# KiCad board 2choc2flat-extmcu-iso-rgb.kicad_pcb (continued)
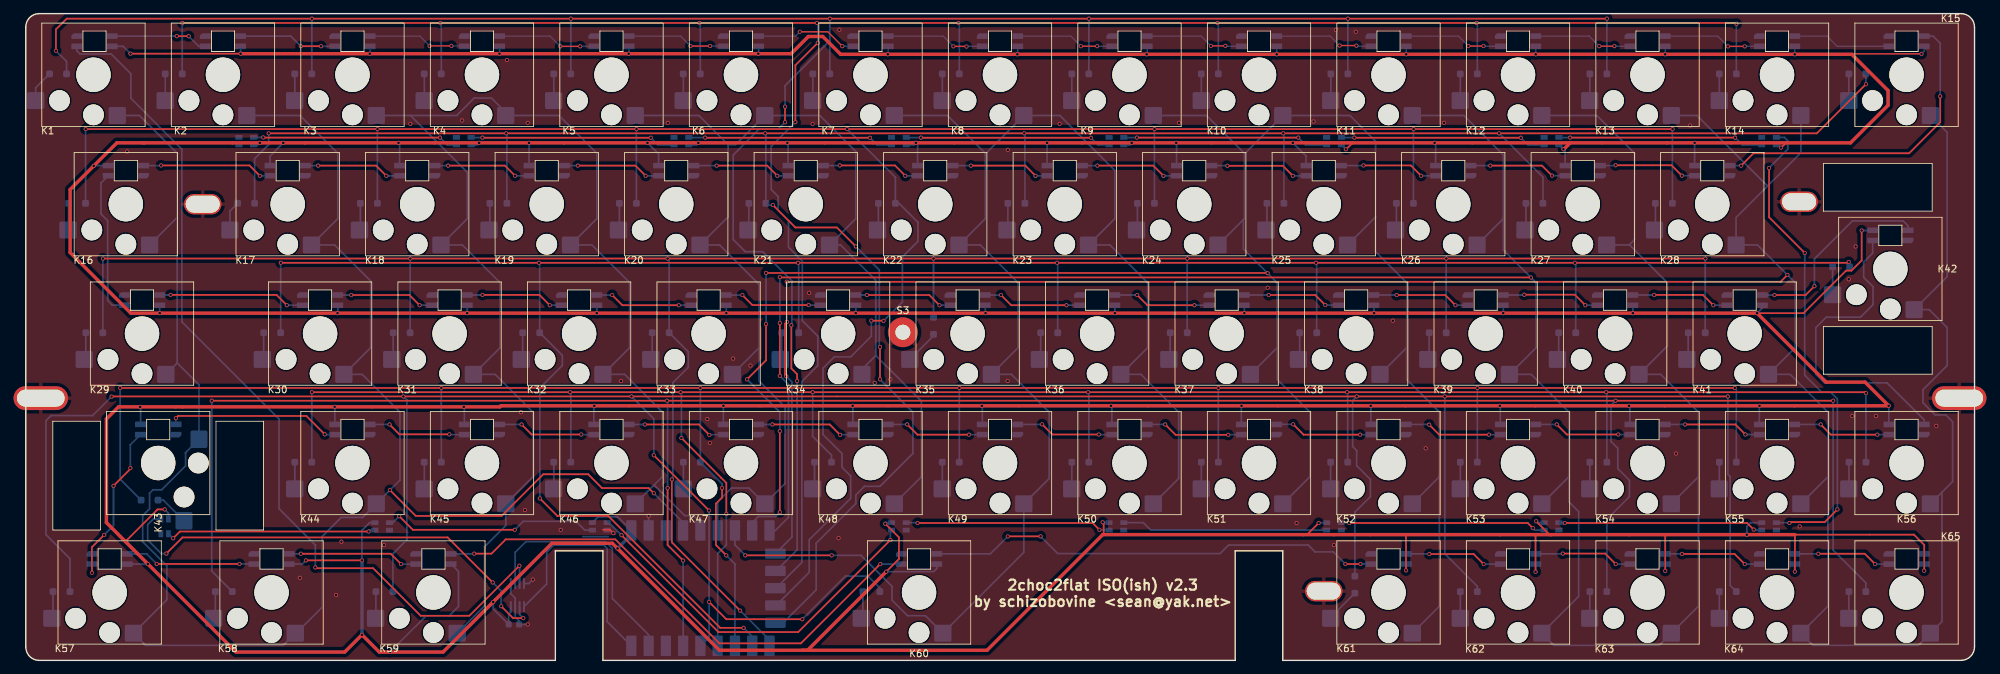
[diagram p0: board, top side]
## Nets (continued)
Net-(D26-A): D26.2 K26.2
Net-(D27-A): D27.2 K27.2
Net-(D28-A): D28.2 K28.2
Net-(D29-A): D29.2 K29.2
Net-(D30-A): D30.2 K30.2
Net-(D31-A): D31.2 K31.2
Net-(D32-A): D32.2 K32.2
Net-(D33-A): D33.2 K33.2
Net-(D34-A): D34.2 K34.2
Net-(D35-A): D35.2 K35.2
Net-(D36-A): D36.2 K36.2
Net-(D37-A): D37.2 K37.2
Net-(D38-A): D38.2 K38.2
Net-(D39-A): D39.2 K39.2
Net-(D40-A): D40.2 K40.2
Net-(D41-A): D41.2 K41.2
Net-(D42-A): D42.2 K42.2
Net-(D43-A): D43.2 K43.2
Net-(D44-A): D44.2 K44.2
Net-(D45-A): D45.2 K45.2
Net-(D46-A): D46.2 K46.2
Net-(D47-A): D47.2 K47.2
Net-(D48-A): D48.2 K48.2
Net-(D49-A): D49.2 K49.2
Net-(D50-A): D50.2 K50.2
Net-(D51-A): D51.2 K51.2
Net-(D52-A): D52.2 K52.2
Net-(D53-A): D53.2 K53.2
Net-(D54-A): D54.2 K54.2
Net-(D55-A): D55.2 K55.2
Net-(D56-A): D56.2 K56.2
Net-(D57-A): D57.2 K57.2
Net-(D58-A): D58.2 K58.2
Net-(D59-A): D59.2 K59.2
Net-(D60-A): D60.2 K60.2
Net-(D61-A): D61.2 K61.2
Net-(D62-A): D62.2 K62.2
Net-(D63-A): D63.2 K63.2
Net-(D64-A): D64.2 K64.2
Net-(D65-A): D65.2 K65.2
Net-(LD1-DOUT): LD1.2 LD2.4
Net-(LD2-DOUT): LD2.2 LD3.4
Net-(LD3-DOUT): LD3.2 LD4.4
Net-(LD4-DOUT): LD4.2 LD5.4
Net-(LD5-DOUT): LD5.2 LD6.4
Net-(LD6-DOUT): LD6.2 LD7.4
Net-(LD7-DOUT): LD7.2 LD8.4
Net-(LD8-DOUT): LD8.2 LD9.4
Net-(LD10-DIN): LD9.2 LD10.4
Net-(LD10-DOUT): LD10.2 LD11.4
Net-(LD11-DOUT): LD11.2 LD12.4
Net-(LD12-DOUT): LD12.2 LD13.4
Net-(LD13-DOUT): LD13.2 LD14.4
Net-(LD14-DOUT): LD14.2 LD15.4
Net-(LD15-DOUT): LD15.2 LD28.4
Net-(LD16-DIN): LD16.4 LD17.2
Net-(LD16-DOUT): LD16.2 LD29.4
Net-(LD17-DIN): LD17.4 LD18.2
Net-(LD18-DIN): LD18.4 LD19.2
Net-(LD19-DIN): LD19.4 LD20.2
Net-(LD20-DIN): LD20.4 LD21.2
Net-(LD21-DIN): LD21.4 LD22.2
Net-(LD22-DIN): LD22.4 LD23.2
Net-(LD23-DIN): LD23.4 LD24.2
Net-(LD24-DIN): LD24.4 LD25.2
Net-(LD25-DIN): LD25.4 LD26.2
Net-(LD26-DIN): LD26.4 LD27.2
Net-(LD27-DIN): LD27.4 LD28.2
Net-(LD29-DOUT): LD29.2 LD30.4
Net-(LD30-DOUT): LD30.2 LD31.4
Net-(LD31-DOUT): LD31.2 LD32.4
Net-(LD32-DOUT): LD32.2 LD33.4
Net-(LD33-DOUT): LD33.2 LD34.4
Net-(LD34-DOUT): LD34.2 LD35.4
Net-(LD35-DOUT): LD35.2 LD36.4
Net-(LD36-DOUT): LD36.2 LD37.4
Net-(LD37-DOUT): LD37.2 LD38.4
Net-(LD38-DOUT): LD38.2 LD39.4
Net-(LD39-DOUT): LD39.2 LD40.4
Net-(LD40-DOUT): LD40.2 LD41.4
Net-(LD41-DOUT): LD41.2 LD42.4
Net-(LD42-DOUT): LD42.2 LD56.4
Net-(LD43-DIN): LD43.4 LD44.2
Net-(LD43-DOUT): LD43.2 LD57.4
Net-(LD44-DIN): LD44.4 LD45.2
Net-(LD45-DIN): LD45.4 LD46.2
Net-(LD46-DIN): LD46.4 LD47.2
Net-(LD47-DIN): LD47.4 LD48.2
Net-(LD48-DIN): LD48.4 LD49.2
Net-(LD49-DIN): LD49.4 LD50.2
Net-(LD50-DIN): LD50.4 LD51.2
Net-(LD51-DIN): LD51.4 LD52.2
Net-(LD52-DIN): LD52.4 LD53.2
Net-(LD53-DIN): LD53.4 LD54.2
Net-(LD54-DIN): LD54.4 LD55.2
Net-(LD55-DIN): LD55.4 LD56.2
Net-(LD57-DOUT): LD57.2 LD58.4
Net-(LD58-DOUT): LD58.2 LD59.4
Net-(LD59-DOUT): LD59.2 LD60.4
Net-(LD60-DOUT): LD60.2 LD61.4
Net-(LD61-DOUT): LD61.2 LD62.4
Net-(LD62-DOUT): LD62.2 LD63.4
Net-(LD63-DOUT): LD63.2 LD64.4
Net-(LD64-DOUT): LD64.2 LD65.4

Pads without a net: BD16 1; LD65 2; U1 3

## Via types
v1: diameter 0.6, hole 0.4, Top to Bottom, 404 vias

## Routing (per net, layer and track width the routed paths; a pad name or vN(x,y) marks a point on that pad's centre or on a via; arc(x,y) is an arc through that point)
+5V: length 1724.8
  Top w0.2: 268.6,89.21 268.67,89.28 v1(278.85,89.28)
  Top w0.25: v1(226.18,75.23) 226.22,75.23 ; v1(31.6,89.3) v1(15.4,89.3) ; v1(241.15,13.18) 241.15,18.38 241.03,18.51 ; v1(203.03,13.25) 203.03,18.51 ; 158.41,18.51 158.55,18.65 158.55,20.18 v1(158.4,20.33) ; v1(222.08,13.05) 222.08,18.46 222.03,18.51 ; v1(126.56,13.06) 128.43,14.93 128.43,18.13 v1(126.42,20.13) ; v1(20.43,22.23) 19.38,22.23 14.65,17.49 ; v1(279.25,13.2) 279.25,17 277.74,18.51 260.23,18.51 v1(260.23,13.08) ; v1(270.05,63.28) 270.05,58.88 268.55,57.38 267.76,57.38 261.49,51.11 254.08,51.11 ; 195.18,76.18 194.22,75.23 v1(194.18,75.23) ; v1(190.18,20.23) 188.46,18.51 187.93,18.51 ; 131.03,76.08 v1(130.93,76.18) ; v1(41.2,14.73) v1(49.45,14.73) ; v1(222.18,20.48) 224.14,18.51 ; 258.93,76.18 258.22,75.48 v1(258.18,75.48)
  Top w0.5: 260.23,18.51 v1(253.16,18.51) 158.41,18.51 141.39,1.49 114.22,1.49 ; 114.22,1.49 114.99,1.49 v1(126.56,13.06) ; 114.22,1.49 102.02,1.49 86.28,17.24 77.39,17.24 v1(68.75,8.6) 61.38,1.24 v1(53.55,1.24) 51.99,1.24 v1(49.45,3.78) 46.91,1.24 30.91,1.24 v1(17.95,14.2) 11.86,20.29 11.86,35.53 13.65,37.32 v1(16.82,37.32) v1(45.42,37.32) v1(64.42,37.32) 69.73,37.32 69.89,37.48 v1(83.62,37.48) v1(102.62,37.48) v1(121.62,37.48) v1(140.62,37.48) v1(159.62,37.48) v1(178.83,37.48) v1(197.83,37.48) v1(216.83,37.48) v1(235.83,37.48) v1(255.03,37.48) v1(274.03,37.48) 270.55,40.95 264.82,40.95 v1(254.67,51.11) v1(236.4,51.11) v1(217.33,51.11) v1(198.33,51.11) v1(179.25,51.11) v1(160.2,51.11) v1(141.18,51.11) v1(122.08,51.11) v1(103.05,51.11) v1(83.97,51.11) v1(64.92,51.11) v1(45.85,51.11) v1(19.7,51.11) 15.45,51.11 6.52,60.04 6.52,69.31 v1(9.99,72.78) 13.39,76.18 17.46,76.18 ; 17.46,76.18 v1(34.42,76.18) v1(37.88,76.18) v1(54.82,76.18) v1(66.67,76.18) v1(74.02,76.18) v1(91.45,76.18) v1(98.92,76.18) v1(112.02,76.18) v1(130.93,76.18) v1(150.23,76.18) v1(162.68,76.18) v1(169.23,76.18) v1(186.38,76.18) v1(207.23,76.18) 227.18,76.18 ; 17.46,76.18 17.44,76.17 ; v1(31.6,89.3) v1(69.67,89.3) v1(88.67,89.3) v1(107.75,89.3) 112.58,89.3 115.1,91.83 117.23,91.83 119.86,89.21 v1(126.8,89.21) v1(145.85,89.21) v1(164.88,89.21) v1(184,89.21) v1(203.05,89.21) v1(222.1,89.21) v1(241.15,89.21) v1(260.2,89.21) 268.6,89.21 273.93,83.88 273.93,81.7 268.41,76.18 v1(245.48,76.18) 227.18,76.18 ; 226.22,75.23 227.18,76.18
  Bottom w0.2: LD3.1 50.65,89.35 v1(50.6,89.3) ; v1(278.85,89.28) 279.25,89.68 279.25,90.38 ; v1(164.88,89.21) 164.95,89.28 LD9.1 ; v1(107.75,89.3) 107.8,89.35 LD6.1 ; v1(88.67,89.3) 88.75,89.38 LD5.1 ; v1(126.8,89.21) 126.85,89.26 LD7.1 ; 260.2,90.38 v1(260.2,89.21) ; LD10.1 v1(184,89.21) ; v1(145.85,89.21) 145.9,89.26 LD8.1 ; LD13.1 v1(241.15,89.21) ; v1(69.67,89.3) 69.7,89.33 69.7,90.38 ; LD11.1 v1(203.05,89.21) ; 222.1,90.38 v1(222.1,89.21)
  Bottom w0.25: LD25.1 188.33,74.23 v1(186.38,76.18) ; v1(270.05,63.28) 271.64,63.28 LD42.1 ; LD37.1 179.24,51.12 v1(179.25,51.11) ; LD19.1 v1(74.02,76.18) ; LD23.1 v1(150.23,76.18) ; BD15.4 66.37,75.88 v1(66.67,76.18) ; BD1.4 20.98,21.68 v1(20.43,22.23) ; v1(19.7,51.11) 19.69,51.11 LD29.1 ; LD60.1 133.99,13.52 133.54,13.06 v1(126.56,13.06) ; LD64.1 260.2,13.1 v1(260.23,13.08) ; v1(253.16,18.51) 253.18,18.53 253.18,19.73 253.73,20.28 BD8.4 ; v1(83.97,51.11) 83.99,51.12 LD32.1 ; v1(17.95,14.2) 17.93,14.18 LD57.1 ; U1.23 87.07,21.13 84.19,21.13 BD3.4 ; LD27.1 226.43,74.98 v1(226.18,75.23) 225.53,75.88 BD10.4 ; v1(217.33,51.11) 217.34,51.12 LD39.1 ; v1(160.2,51.11) 160.19,51.12 LD36.1 ; v1(45.85,51.11) 45.89,51.14 LD30.1 ; LD33.1 103.04,51.12 v1(103.05,51.11) ; v1(254.67,51.11) 255.44,51.87 LD41.1 ; v1(121.62,37.48) 121.65,37.45 121.65,34.73 ; LD40.1 236.39,51.12 v1(236.4,51.11) ; LD52.1 197.85,37.45 v1(197.83,37.48) ; v1(16.82,37.32) 16.88,37.27 LD43.1 ; LD21.1 112.12,76.08 v1(112.02,76.18) ; v1(169.23,76.18) 169.28,76.13 LD24.1 ; BD14.4 98.62,75.88 v1(98.92,76.18) ; U2.8 71.33,7.12 71.02,6.81 71.02,5.3 68.75,7.57 v1(68.75,8.6) ; BD13.4 130.62,75.88 v1(130.93,76.18) 131.18,75.93 LD22.1 ; v1(274.03,37.48) 274.05,37.45 LD56.1 ; BD4.4 126.58,20.28 v1(126.42,20.13) ; v1(91.45,76.18) 93.08,74.55 LD20.1 ; BD7.4 222.38,20.28 v1(222.18,20.48) ; BD6.4 190.23,20.28 v1(190.18,20.23) ; v1(41.2,14.73) 40.65,14.18 LD58.1 ; v1(203.03,13.25) 203.05,13.28 LD61.1 ; v1(9.99,72.78) 10.04,72.83 LD16.1 ; v1(53.55,1.24) 58.84,6.53 62.22,6.53 63.65,7.95 63.65,13.09 LD59.1 ; v1(64.42,37.32) 64.5,37.24 LD45.1 ; LD1.1 14.32,90.38 v1(15.4,89.3) ; BD9.4 257.78,75.88 v1(258.18,75.48) ; v1(158.4,20.33) 158.45,20.28 BD5.4 ; LD54.1 235.95,37.35 v1(235.83,37.48) ; v1(122.08,51.11) 122.09,51.12 LD34.1 ; BD2.4 50.57,20.28 49.45,19.15 v1(49.45,14.73) ; v1(216.83,37.48) 216.9,37.4 LD53.1 ; v1(54.82,76.18) 54.97,76.03 LD18.1 ; v1(198.33,51.11) 198.29,51.14 LD38.1 ; v1(102.62,37.48) 102.6,37.45 LD47.1 ; BD12.4 162.37,75.88 v1(162.68,76.18) ; LD17.1 35.92,74.23 v1(37.88,76.18) ; v1(159.62,37.48) 159.75,37.35 159.75,34.73 ; v1(83.62,37.48) 83.55,37.4 LD46.1 ; LD49.1 140.7,37.4 v1(140.62,37.48) ; LD44.1 45.45,37.29 v1(45.42,37.32) ; LD35.1 141.14,51.14 v1(141.18,51.11) ; v1(279.25,13.2) 279.25,14.18 ; LD63.1 v1(241.15,13.18) ; v1(178.83,37.48) 178.8,37.45 LD51.1 ; v1(207.23,76.18) 207.38,76.03 LD26.1 ; 222.1,14.18 222.1,13.08 v1(222.08,13.05) ; LD28.1 v1(245.48,76.18) ; v1(255.03,37.48) 255,37.45 LD55.1 ; v1(194.18,75.23) 193.53,75.88 BD11.4 ; BD16.4 34.12,75.88 v1(34.42,76.18) ; LD2.1 v1(31.6,89.3) ; LD31.1 64.94,51.12 v1(64.92,51.11)
  Bottom w0.5: v1(87.04,16.48) 89.07,18.51 U1.23 ; v1(49.45,14.73) v1(49.45,3.78)
GND: length 18.1
  Top w0.25: v1(86.42,18.73) 85.92,19.23 84.92,19.23
  Bottom w0.25: U2.1 71.33,9.83 71.98,9.18 U2.7 71.98,6.39 72.57,5.8 C1.2 v1(73.83,5.3) ; U2.4 74.01,11.32 v1(74.59,11.91) ; 81.92,18.23 85.67,18.23 ; BD3.2 85.97,19.18 v1(86.42,18.73) ; U1.22 v1(91.61,21.3)
  vias: v1(14.9,74.9) v1(40.3,12.16) v1(45.64,9.62) v1(46.42,17.48) v1(52.67,16.98) v1(56.56,78.96) v1(64.18,79.47) v1(70.78,88.36) v1(72.83,36.53) v1(73.42,22.13) v1(73.83,79.13) v1(78.67,19.23) v1(87.55,41.12) v1(94.42,79.13) v1(100.25,35.53) v1(100.62,32.03) v1(104.05,44.43) v1(106.6,43.4) v1(115.22,54.1) v1(115.74,78.96) v1(119.55,18) v1(119.67,92.83) v1(124.88,40.86) v1(127.17,41.37) v1(144.44,75.15) v1(144.43,41.13) v1(152.06,78.96) v1(169.62,79.13) v1(182.68,54.85) v1(186.93,20.23) v1(189.43,79.33) v1(192.43,16.98) v1(192.7,92.8) v1(195.62,92.53) v1(201.09,50.01) v1(205.91,31.21) v1(208.62,79.13) v1(242.74,30.45) v1(244.83,78.73) v1(260.93,19.73) v1(268.14,56.1) v1(268.68,35.98) v1(269.16,60.93) v1(272.18,35.98) v1(281.03,34.53)
col0: length 283.9
  Top w0.25: v1(92.37,24.61) 91.61,25.37 84.75,25.37 82.72,27.4 76.12,27.4 69.99,21.27 57.35,21.27 v1(53.56,25.06)
  Bottom w0.25: 22.27,65.21 22.27,43.78 ; 22.27,65.21 22.27,74.64 16.71,80.2 K1.1 ; 22.27,65.21 K16.1 ; 22.27,43.78 25.48,40.57 K43.1 23.5,30.57 23.5,28.63 19.98,25.11 18.71,25.11 18.21,24.61 18.21,22.32 17.19,21.3 17.19,17.46 20.75,13.91 20.75,8.91 K57.1 17.61,2.22 37.86,2.22 K58.1 39.76,4 43.6,7.84 43.6,18.26 46.4,21.05 49.55,21.05 K44.1 v1(53.56,25.06) 55.03,26.54 55.03,36.54 49.48,42.1 K30.1 50.72,46.03 50.72,55.85 45.41,61.15 K17.1 45.89,65.02 45.89,74.64 40.33,80.2 K2.1 ; 22.27,43.78 K29.1 ; v1(92.37,24.61) 96.69,20.29 U1.20
col1: length 213.5
  Bottom w0.25: 92.42,25.82 K46.1 ; 92.42,25.82 93.64,27.04 93.64,36.54 88.09,42.1 K32.1 88.82,46.03 88.82,55.59 83.26,61.15 K19.1 83.99,65.02 83.99,74.64 78.43,80.2 K4.1 70.6,80.67 68.5,82.77 65.96,82.77 63.39,80.2 56.34,80.2 ; 92.42,25.82 96.94,21.3 98.22,21.3 99.23,20.29 U1.19 ; K59.1 67.48,8.02 67.48,16.73 70.6,19.85 K45.1 74.59,27.04 74.59,36.54 69.04,42.1 K31.1 69.77,46.03 69.77,55.59 64.21,61.15 K18.1 64.94,65.02 64.94,71.85 56.59,80.2 56.34,80.2 ; K3.1 56.34,80.2
col2: length 184.6
  Bottom w0.25: K48.1 131.74,27.04 131.74,38.16 125.02,44.87 ; 103.3,75.91 104.41,75.91 K6.1 116.79,80.2 122.09,74.9 122.09,65.02 K21.1 119.84,61.15 125.02,55.96 125.02,44.87 ; 103.3,75.91 103.3,65.27 K20.1 102.06,61.15 107.87,55.34 107.87,46.03 ; 103.3,75.91 99.01,80.2 K5.1 ; K34.1 122.99,42.84 125.02,44.87 ; U1.18 101.77,23.34 103.8,25.37 106.38,25.37 K47.1 111.68,26.03 111.68,37.31 107.87,41.12 107.87,46.03 ; 107.87,46.03 K33.1
col3: length 235.4
  Top w0.25: v1(105.83,15.46) v1(118.53,15.46)
  Bottom w0.25: 141.14,74.39 141.14,65.02 K22.1 140.41,61.15 145.97,55.59 145.97,46.03 K35.1 144.98,42.1 150.54,36.54 150.54,26.79 K49.1 146.8,15.91 K60.1 132.32,6.57 129.71,6.57 127.42,8.86 127.42,10.89 122.85,15.46 v1(118.53,15.46) ; 141.14,74.39 141.14,74.64 135.58,80.2 K7.1 ; 141.14,74.39 141.14,74.54 K8.1 152.09,80.2 160.19,72.1 160.19,65.02 K23.1 159.46,61.15 165.02,55.59 165.02,46.03 K36.1 164.03,42.1 169.59,36.54 169.59,26.79 K50.1 ; U1.17 104.31,16.99 v1(105.83,15.46)
col4: length 320.4
  Top w0.25: v1(110.91,21.81) v1(110.91,33.75) ; v1(182.67,56.99) 182.63,57.03 v1(108.88,57.03) ; v1(106.09,41.37) 108.88,44.16 v1(108.88,49.5)
  Bottom w0.25: 179.1,64.88 179.1,60.56 v1(182.67,56.99) 184.07,55.59 184.07,46.03 ; 179.1,64.88 179.24,65.02 179.24,74.64 ; 179.1,64.88 K24.1 ; 203.12,46.03 203.12,41.37 207.94,36.54 207.94,27.4 ; 203.12,46.03 K38.1 ; 203.12,46.03 203.12,55.59 198.53,60.18 198.53,65.26 ; K52.1 207.94,27.04 207.94,27.4 ; U1.16 106.85,20.29 107.74,21.18 110.28,21.18 v1(110.91,21.81) ; v1(106.09,41.37) 110.91,36.54 v1(110.91,33.75) ; v1(108.88,49.5) v1(108.88,57.03) ; K9.1 173.68,80.2 179.24,74.64 ; 179.24,74.64 179.34,74.64 K10.1 194.77,80.2 198.55,76.42 198.55,65.27 198.53,65.26 ; 207.94,27.4 207.94,7.99 K61.1 ; 184.07,46.03 K37.1 ; 184.07,46.03 184.07,41.37 188.89,36.54 188.89,27.04 K51.1 ; 198.53,65.26 K25.1
col5: length 387.1
  Top w0.25: v1(110.91,56.4) 110.95,56.37 221.39,56.37 v1(221.41,56.36) ; v1(110.91,41.88) v1(110.91,49.65)
  Bottom w0.25: 235.85,61.15 235.91,61.15 241.47,55.59 241.47,46.28 K40.1 240.49,42.1 246.04,36.54 246.04,27.04 ; 235.85,61.15 K27.1 ; 235.85,61.15 236.65,61.94 236.65,74.64 231.09,80.2 K12.1 ; 226.99,27.04 K53.1 ; 226.99,27.04 226.99,36.54 221.44,42.1 K39.1 222.17,46.03 222.17,55.59 v1(221.41,56.36) 217.34,60.42 217.34,65.25 ; 226.99,27.04 226.99,23.32 228.43,21.88 228.43,9.43 K62.1 224.78,2.22 240.27,2.22 K63.1 246.04,7.99 246.04,27.04 ; 217.34,65.25 217.34,74.39 211.53,80.2 K11.1 ; 217.34,65.25 217.34,65.02 K26.1 ; 246.04,27.04 K54.1 ; U1.15 110.26,19.13 112.19,21.05 112.19,40.61 v1(110.91,41.88) ; v1(110.91,49.65) v1(110.91,56.4)
col6: length 418.4
  Top w0.25: 112.19,55.74 112.2,55.73 258.12,55.73 v1(259.12,56.74) ; v1(111.86,41.81) 111.68,42 111.68,49.55 v1(111.95,49.83)
  Bottom w0.25: v1(111.95,49.83) 111.93,49.84 v1(111.93,55.74) ; K14.1 261.1,74.71 256.2,69.82 ; 256.2,69.82 245.82,80.2 K13.1 ; 256.2,69.82 251.58,65.19 K28.1 254.71,61.15 v1(259.12,56.74) 260.27,55.59 260.27,46.03 K41.1 259.54,42.1 265.09,36.54 265.09,27.04 ; v1(111.86,41.81) 112.69,40.98 112.69,18.14 U1.14 ; 265.09,27.04 265.09,7.99 K64.1 262.88,2.22 278.37,2.22 K65.1 281.86,5.71 281.86,24.76 ; 265.09,27.04 K55.1 ; 281.86,24.76 283.43,26.33 283.43,35.13 282.43,36.13 280.86,36.13 279.06,37.92 279.06,39.85 282.62,43.4 282.62,48.99 279.98,51.63 K42.1 282.62,56.48 282.62,77.73 K15.1 ; 281.86,24.76 K56.1
per_key_rgb: length 34.8
  Bottom w0.25: U2.5 76.62,11.26 76.62,15.97 77.64,16.99 85.01,16.99 85.52,16.48 85.52,5.7 U1.1
per_key_rgb_5v: length 132.6
  Top w0.25: v1(42.59,13.68) 42.71,13.57 51.09,13.57 58.08,6.57 65.24,6.57 v1(72.61,13.94)
  Bottom w0.25: v1(72.61,13.94) 72.63,13.91 U2.3 ; v1(42.59,13.68) 42.59,16.99 37.25,22.32 37.25,35.53 22.95,49.83 22.95,75.23 15.46,82.73 15.46,86.34 12.55,89.25 7.97,89.25 7.5,89.72 LD1.4
row0: length 377.2
  Top w0.25: v1(111.68,79.22) v1(111.68,81.5) ; v1(4.42,89.73) 4.42,92.87 6.01,94.46 v1(42.08,94.46) v1(80.18,94.46) v1(118.28,94.46) v1(156.38,94.46) v1(194.48,94.46) v1(232.58,94.46) ; v1(112.61,49.33) 112.61,42.98 113.45,42.13 v1(113.45,41.12)
  Bottom w0.25: D13.1 232.56,94.44 v1(232.58,94.46) ; v1(111.68,81.5) 111.68,84.59 118.26,91.17 ; v1(42.08,94.46) 42.06,94.44 D3.1 ; D11.1 194.46,94.44 v1(194.48,94.46) ; v1(113.45,41.12) 113.45,16.27 110.36,13.18 U1.13 ; v1(4.42,89.73) 5.99,88.16 D1.1 ; v1(156.38,94.46) 156.36,94.44 D9.1 ; v1(111.68,79.22) 110.66,78.2 107.87,78.2 104.06,74.39 104.06,61.94 105.83,60.17 108.39,60.17 112.69,55.86 112.69,49.41 v1(112.61,49.33) ; 118.26,91.17 118.26,94.44 v1(118.28,94.46) ; 118.26,91.17 D7.1 ; v1(80.18,94.46) 80.16,94.44 D5.1
row1: length 372.9
  Top w0.25: v1(113.2,79.22) 113.2,87.6 v1(116.5,90.9) ; v1(23.03,93.83) v1(60.99,93.83) v1(99.09,93.83) v1(116.39,93.83) v1(137.19,93.83) v1(175.29,93.83) v1(213.41,93.83) 251.49,93.83 v1(251.63,93.69)
  Bottom w0.25: D14.1 251.61,93.67 v1(251.63,93.69) ; U1.12 110.36,10.64 114.15,14.42 114.15,41.05 116.5,43.4 116.5,47.72 114.22,50.01 114.22,58.78 112.19,60.82 112.19,64.74 110.66,66.26 110.66,68.29 109.64,69.31 109.64,75.66 v1(113.2,79.22) ; v1(137.19,93.83) 137.31,93.71 D8.1 ; v1(213.41,93.83) 213.51,93.73 D12.1 ; v1(116.5,90.9) 116.5,93.71 v1(116.39,93.83) ; D2.1 23.01,93.81 v1(23.03,93.83) ; v1(175.29,93.83) 175.41,93.71 D10.1 ; D6.1 99.21,93.71 v1(99.09,93.83) ; v1(60.99,93.83) 61.11,93.71 D4.1
row2: length 388.4
  Top w0.25: v1(8.81,78.2) v1(51.73,78.2) v1(89.83,78.2) v1(120.82,78.2) v1(166.03,78.2) v1(204.13,78.2) v1(242.23,78.2) ; v1(126.17,49.98) 126.14,50.01 v1(124.38,50.01)
  Bottom w0.25: D28.1 242.21,78.18 v1(242.23,78.2) ; D24.1 166.01,78.18 v1(166.03,78.2) ; v1(89.83,78.2) 89.81,78.18 D20.1 ; v1(204.13,78.2) 204.11,78.18 D26.1 ; v1(124.38,50.01) 124.38,47.72 121.33,44.67 118.92,44.67 117.27,43.02 117.27,33.24 120.06,30.45 120.06,28.42 121.33,27.15 121.33,23.84 115.23,17.75 115.23,12.97 110.36,8.1 U1.11 ; v1(120.82,78.2) 127.91,71.11 D22.1 128.44,67.28 131.24,64.48 131.24,61.69 128.95,59.4 128.95,52.75 v1(126.17,49.98) ; v1(51.73,78.2) 51.71,78.18 D18.1 ; v1(8.81,78.2) 8.79,78.18 D16.1
row3: length 390
  Top w0.25: v1(109.9,67.02) 113.2,63.72 119.3,63.72 v1(122.09,60.93) ; v1(270.68,84.8) 263.45,77.57 v1(216.72,77.57) v1(184.97,77.57) v1(146.87,77.57) v1(108.77,77.57) v1(70.67,77.57) v1(35.73,77.57) ; v1(125.65,46.13) 125.65,46.12 v1(125.65,41.37)
  Bottom w0.25: D25.1 185.06,77.48 v1(184.97,77.57) ; v1(125.65,41.37) 130.47,36.54 130.47,30.45 125.65,25.62 123.36,25.62 122.09,24.35 122.09,23.08 116.25,17.24 116.25,10.38 111.42,5.56 U1.10 ; v1(70.67,77.57) 70.76,77.48 D19.1 ; v1(109.9,67.02) 109.12,67.02 D21.1 108.86,77.48 v1(108.77,77.57) ; D15.1 270.68,86.31 v1(270.68,84.8) ; v1(216.72,77.57) 223.16,71.13 D27.1 ; v1(122.09,60.93) 125.55,57.47 125.55,46.23 v1(125.65,46.13) ; D23.1 146.96,77.48 v1(146.87,77.57) ; v1(35.73,77.57) 35.73,75.91 33.66,73.84 D17.1
row4: length 364.2
  Top w0.25: v1(105.07,7.33) 95.03,17.38 v1(95.03,26.64) ; v1(11.35,59.15) v1(56.56,59.15) v1(94.41,59.15) v1(133.52,59.15) v1(170.86,59.15) v1(208.96,59.15) v1(247.06,59.15)
  Bottom w0.25: v1(208.96,59.15) 208.94,59.13 D39.1 ; v1(105.07,7.33) 109.39,3.02 U1.9 ; v1(170.86,59.15) 170.84,59.13 D37.1 ; v1(56.56,59.15) 56.54,59.13 D31.1 ; v1(94.41,59.15) 94.64,58.92 D33.1 97.45,45.41 97.45,43.15 95.17,40.86 95.17,26.77 v1(95.03,26.64) ; D35.1 v1(133.52,59.15) ; v1(247.06,59.15) 247.04,59.13 D41.1 ; D29.1 11.33,59.13 v1(11.35,59.15)
row5: length 361.6
  Top w0.25: v1(37.51,58.52) v1(75.47,58.52) v1(113.59,58.52) v1(151.69,58.52) v1(189.79,58.52) v1(227.87,58.52) 268.02,58.52 v1(268.14,58.64) ; v1(75.61,23.84) 78.18,21.27 85.67,21.27 102.15,4.79 v1(105.58,4.79)
  Bottom w0.25: v1(105.58,4.79) 106.85,3.52 U1.8 ; v1(189.79,58.52) 189.89,58.43 D38.1 ; v1(37.51,58.52) 37.49,58.5 D30.1 ; D34.1 113.69,58.43 v1(113.59,58.52) ; D40.1 227.99,58.41 v1(227.87,58.52) ; v1(268.14,58.64) 268.14,58.06 D42.1 ; v1(75.47,58.52) 75.59,58.41 D32.1 78.91,44.91 78.91,43.4 75.61,40.1 v1(75.61,23.84) ; v1(151.69,58.52) 151.79,58.43 D36.1
row6: length 350.8
  Top w0.25: v1(13.89,40.1) v1(61.13,40.1) v1(99.23,40.1) v1(137.33,40.1) v1(175.43,40.1) v1(213.53,40.1) v1(251.38,40.1) ; v1(103.04,15.46) 101.52,16.99 101.52,23.08 102.42,23.98 v1(102.42,25.37)
  Bottom w0.25: D49.1 137.31,40.08 v1(137.33,40.1) ; D53.1 213.51,40.08 v1(213.53,40.1) ; v1(61.13,40.1) 61.11,40.08 D45.1 ; v1(102.42,25.37) 102.42,25.99 D47.1 v1(99.23,40.1) ; v1(251.38,40.1) 251.61,39.87 D55.1 ; D51.1 175.41,40.08 v1(175.43,40.1) ; U1.7 104.31,14.19 v1(103.04,15.46) ; D43.1 13.89,26.66 v1(13.89,40.1)
row7: length 342.6
  Top w0.25: v1(103.04,21.56) 103.04,26.13 v1(96.44,32.73) ; v1(42.08,39.47) v1(80.06,39.47) v1(96.32,39.47) v1(115.74,39.47) v1(156.26,39.47) v1(194.36,39.47) v1(232.46,39.47) 270.54,39.47 v1(270.68,39.34)
  Bottom w0.25: v1(156.26,39.47) 156.36,39.38 D50.1 ; v1(96.44,32.73) 96.44,39.36 v1(96.32,39.47) ; D48.1 118.52,30.21 115.74,32.99 v1(115.74,39.47) ; v1(42.08,39.47) 42.06,39.45 D44.1 ; v1(194.36,39.47) 194.44,39.4 D52.1 ; v1(232.46,39.47) 232.56,39.38 D54.1 ; U1.6 101.77,15.72 103.04,16.99 v1(103.04,21.56) ; v1(270.68,39.34) D56.1 ; v1(80.06,39.47) 80.16,39.38 D46.1
row8: length 466
  Top w0.25: v1(12.62,38.83) 12.64,38.85 v1(55.54,38.85) v1(89.09,38.85) v1(195.77,38.85) v1(208.73,38.85) v1(250.36,38.85) ; v1(100.5,22.07) v1(92.37,30.19) ; v1(114.22,6.06) 103.04,6.06 v1(100.5,8.6)
  Bottom w0.25: D64.1 250.7,11.04 250.7,27.06 250.36,27.4 v1(250.36,38.85) ; v1(89.09,38.85) 92.37,35.57 v1(92.37,30.19) ; v1(208.73,38.85) 208.73,15.69 213.51,10.91 D62.1 ; U1.5 100.5,3.41 v1(100.5,22.07) ; v1(114.22,6.06) 120.57,12.41 123.87,12.41 125.63,10.66 D60.1 ; D61.1 195.5,21.81 197.78,24.1 197.78,26.64 195.77,28.65 195.77,30.88 195.18,31.48 195.18,38.25 v1(195.77,38.85) ; D59.1 54,15.7 56.05,17.75 56.05,38.34 v1(55.54,38.85) ; D57.1 6.5,14.97 2.96,18.51 2.96,35.27 3.73,36.04 9.82,36.04 v1(12.62,38.83)
row9: length 365.9
  Top w0.25: v1(96.69,14.7) 94.41,16.99 v1(94.41,25.37) ; v1(265.86,38.23) v1(233.85,38.23) v1(94.31,38.23) v1(27.35,38.23)
  Bottom w0.25: v1(94.31,38.23) 94.41,38.13 v1(94.41,25.37) ; v1(233.85,38.23) 233.18,37.55 233.18,32.23 234.18,31.23 234.18,28.23 235.88,26.52 235.88,24.1 232.56,20.78 D63.1 ; v1(96.69,14.7) U1.4 ; D65.1 270.66,11.42 265.86,16.22 v1(265.86,38.23) ; D58.1 27.35,13.16 v1(27.35,38.23)
underglow: length 36.5
  Bottom w0.25: U2.2 71.98,15.9 73.56,17.48 85.28,17.48 86.28,16.48 86.28,9.11 91.61,3.78 U1.2
underglow_5v: length 69.8
  Top w0.25: v1(20.68,15.73) 23.05,18.1 62.05,18.1 v1(68.67,11.48) ; v1(69.92,7.98) 71.67,6.23 v1(73.17,6.23)
  Bottom w0.25: v1(20.68,15.73) 19.93,15.73 17.93,17.73 17.93,19.98 18.76,20.81 BD1.3 ; v1(69.92,7.98) 69.92,10.23 v1(68.67,11.48) ; U2.6 72.63,6.77 v1(73.17,6.23)
Net-(BD1-DOUT): length 31.1
  Top w0.25: v1(21.68,17.98) 22.68,18.98 v1(50.42,18.98)
  Bottom w0.25: v1(50.42,18.98) 50.62,19.18 BD2.3 ; BD1.1 21.64,17.98 v1(21.68,17.98)
Net-(BD2-DOUT): length 32.1
  Top w0.25: v1(71.92,19.23) 56.92,19.23 v1(54.92,21.23)
  Bottom w0.25: BD2.1 53.97,20.28 v1(54.92,21.23) ; v1(71.92,19.23) 73.17,20.48 80.92,20.48 82.22,19.18 BD3.3
Net-(BD3-DOUT): length 55.5
  Top w0.25: v1(127.17,17.73) 113.62,4.17 101.89,4.17 v1(87.63,18.43)
  Bottom w0.25: v1(87.63,18.43) 85.78,20.28 BD3.1 ; v1(127.17,17.73) 127.17,19.01 BD4.3
Net-(BD4-DOUT): length 30.3
  Top w0.25: v1(157.93,19.23) 156.93,20.23 v1(131.18,20.23)
  Bottom w0.25: v1(157.93,19.23) 159.29,19.23 BD5.3 ; BD4.1 131.12,20.28 v1(131.18,20.23)
Net-(BD5-DOUT): length 30.3
  Bottom w0.25: BD6.3 165.48,19.18 164.38,20.28 BD5.1
Net-(BD6-DOUT): length 30.3
  Top w0.25: v1(221.68,19.48) 220.93,20.23 v1(194.68,20.23)
  Bottom w0.25: BD7.3 221.98,19.18 v1(221.68,19.48) ; BD6.1 194.62,20.28 v1(194.68,20.23)
Net-(BD7-DOUT): length 30.3
  Top w0.25: v1(254.18,19.26) 253.21,20.23 v1(226.37,20.23)
  Bottom w0.25: v1(226.37,20.23) 226.32,20.28 BD7.1 ; v1(254.18,19.26) 254.26,19.18 BD8.3
Net-(BD8-DOUT): length 72
  Top w0.25: v1(256.43,72.48) 256.43,65.23 v1(261.68,59.98) ; v1(266.48,22.23) 264.61,20.35 259.55,20.35 v1(259.43,20.23)
  Bottom w0.25: BD9.3 258.68,76.98 259.18,76.48 259.18,75.23 v1(256.43,72.48) ; v1(261.68,59.98) 261.68,41.98 264.18,39.48 265.49,39.48 266.48,38.48 v1(266.48,22.23) ; BD8.1 259.38,20.28 v1(259.43,20.23)
Net-(BD10-DIN): length 30.3
  Top w0.25: v1(251.43,76.95) v1(227.18,76.95)
  Bottom w0.25: BD10.3 225.53,76.95 v1(227.18,76.95) ; BD9.1 252.5,75.88 v1(251.43,76.95)
Net-(BD10-DOUT): length 30.3
  Top w0.25: v1(195.43,76.95) 195.45,76.93 v1(219.93,76.93)
  Bottom w0.25: v1(195.43,76.95) 193.53,76.95 BD11.3 ; v1(219.93,76.93) 220.98,75.88 BD10.1
Net-(BD11-DOUT): length 30.3
  Top w0.25: v1(187.18,76.95) v1(163.43,76.95)
  Bottom w0.25: v1(187.18,76.95) 188.25,75.88 BD11.1 ; v1(163.43,76.95) 161.53,76.95 BD12.3
Net-(BD12-DOUT): length 30.3
  Top w0.25: v1(156.68,76.93) 131.7,76.93 v1(131.68,76.95)
  Bottom w0.25: v1(131.68,76.95) 129.53,76.95 BD13.3 ; BD12.1 157.73,75.88 v1(156.68,76.93)
Net-(BD13-DOUT): length 30.3
  Top w0.25: v1(99.92,76.95) 99.95,76.93 v1(124.17,76.93)
  Bottom w0.25: v1(99.92,76.95) 97.53,76.95 BD14.3 ; v1(124.17,76.93) 125.23,75.88 BD13.1
Net-(BD14-DOUT): length 30.3
  Top w0.25: v1(67.17,76.95) 67.2,76.93 v1(91.92,76.93)
  Bottom w0.25: v1(91.92,76.93) 92.98,75.88 BD14.1 ; v1(67.17,76.95) 65.53,76.95 BD15.3
Net-(BD15-DOUT): length 30.3
  Top w0.25: v1(34.92,76.98) 34.95,76.95 v1(60.92,76.95)
  Bottom w0.25: v1(34.92,76.98) BD16.3 ; v1(60.92,76.95) 62,75.88 BD15.1
Net-(D1-A): length 4.8
  Bottom w0.25: D1.2 1.45,84.28 K1.2
Net-(D2-A): length 3.9
  Bottom w0.25: K2.2 20.51,82.41 D2.2
Net-(D3-A): length 3.9
  Bottom w0.25: K3.2 39.56,82.41 D3.2
Net-(D4-A): length 3.9
  Bottom w0.25: D4.2 58.61,82.41 K4.2
Net-(D5-A): length 3.9
  Bottom w0.25: K5.2 77.66,82.41 D5.2
Net-(D6-A): length 3.9
  Bottom w0.25: K6.2 96.71,82.41 D6.2
Net-(D7-A): length 3.9
  Bottom w0.25: K7.2 115.76,82.41 D7.2
Net-(D8-A): length 3.9
  Bottom w0.25: K8.2 134.81,82.41 D8.2
Net-(D9-A): length 3.9
  Bottom w0.25: K9.2 153.86,82.41 D9.2
Net-(D10-A): length 3.9
  Bottom w0.25: D10.2 172.91,82.41 K10.2
Net-(D11-A): length 3.9
  Bottom w0.25: K11.2 191.96,82.41 D11.2
Net-(D12-A): length 3.9
  Bottom w0.25: K12.2 211.01,82.41 D12.2
Net-(D13-A): length 3.9
  Bottom w0.25: D13.2 230.06,82.41 K13.2
Net-(D14-A): length 3.9
  Bottom w0.25: D14.2 249.11,82.41 K14.2
Net-(D15-A): length 3.9
  Bottom w0.25: K15.2 268.16,82.41 D15.2
Net-(D16-A): length 4
  Bottom w0.25: K16.2 6.29,63.42 D16.2
Net-(D17-A): length 4.4
  Bottom w0.25: D17.2 30.03,66.14 K17.2
Net-(D18-A): length 4
  Bottom w0.25: K18.2 49.21,63.49 D18.2
Net-(D19-A): length 4
  Bottom w0.25: K19.2 68.26,63.49 D19.2
Net-(D20-A): length 4
  Bottom w0.25: D20.2 87.31,63.49 K20.2
Net-(D21-A): length 4
  Bottom w0.25: D21.2 106.36,63.49 K21.2
Net-(D22-A): length 4
  Bottom w0.25: K22.2 125.41,63.49 D22.2
Net-(D23-A): length 4
  Bottom w0.25: D23.2 144.46,63.49 K23.2
Net-(D24-A): length 4
  Bottom w0.25: D24.2 163.51,63.49 K24.2
Net-(D25-A): length 4
  Bottom w0.25: D25.2 182.56,63.49 K25.2
Net-(D26-A): length 4
  Bottom w0.25: K26.2 201.61,63.49 D26.2
Net-(D27-A): length 4
  Bottom w0.25: K27.2 220.66,63.49 D27.2
Net-(D28-A): length 4
  Bottom w0.25: K28.2 239.71,63.49 D28.2
Net-(D29-A): length 4
  Bottom w0.25: K29.2 8.83,44.53 D29.2
Net-(D30-A): length 4
  Bottom w0.25: D30.2 34.99,44.5 K30.2
Net-(D31-A): length 4
  Bottom w0.25: D31.2 54.04,44.5 K31.2
Net-(D32-A): length 4
  Bottom w0.25: D32.2 73.09,44.5 K32.2
Net-(D33-A): length 4
  Bottom w0.25: D33.2 92.14,44.5 K33.2
Net-(D34-A): length 4
  Bottom w0.25: K34.2 111.19,44.5 D34.2
Net-(D35-A): length 5.1
  Bottom w0.25: K35.2 133.52,47.78 D35.2
Net-(D36-A): length 4
  Bottom w0.25: K36.2 149.29,44.5 D36.2
Net-(D37-A): length 4
  Bottom w0.25: K37.2 168.34,44.5 D37.2
Net-(D38-A): length 4
  Bottom w0.25: D38.2 187.39,44.5 K38.2
Net-(D39-A): length 4
  Bottom w0.25: D39.2 206.44,44.5 K39.2
Net-(D40-A): length 4
  Bottom w0.25: K40.2 225.49,44.5 D40.2
Net-(D41-A): length 4
  Bottom w0.25: K41.2 244.54,44.5 D41.2
Net-(D42-A): length 4.1
  Bottom w0.25: K42.2 265.77,53.83 D42.2
Net-(D43-A): length 5.1
  Bottom w0.25: K43.2 20.24,23.59 D43.2
Net-(D44-A): length 3.9
  Bottom w0.25: K44.2 39.56,25.26 D44.2
Net-(D45-A): length 3.9
  Bottom w0.25: K45.2 58.61,25.26 D45.2
Net-(D46-A): length 3.9
  Bottom w0.25: K46.2 77.66,25.26 D46.2
Net-(D47-A): length 3.9
  Bottom w0.25: K47.2 96.73,25.28 D47.2
Net-(D48-A): length 4
  Bottom w0.25: D48.2 116.02,25.52 K48.2
Net-(D49-A): length 3.9
  Bottom w0.25: D49.2 134.81,25.26 K49.2
Net-(D50-A): length 3.9
  Bottom w0.25: K50.2 153.86,25.26 D50.2
Net-(D51-A): length 3.9
  Bottom w0.25: D51.2 172.91,25.26 K51.2
